# KiCad board gate.kicad_pcb (continued)
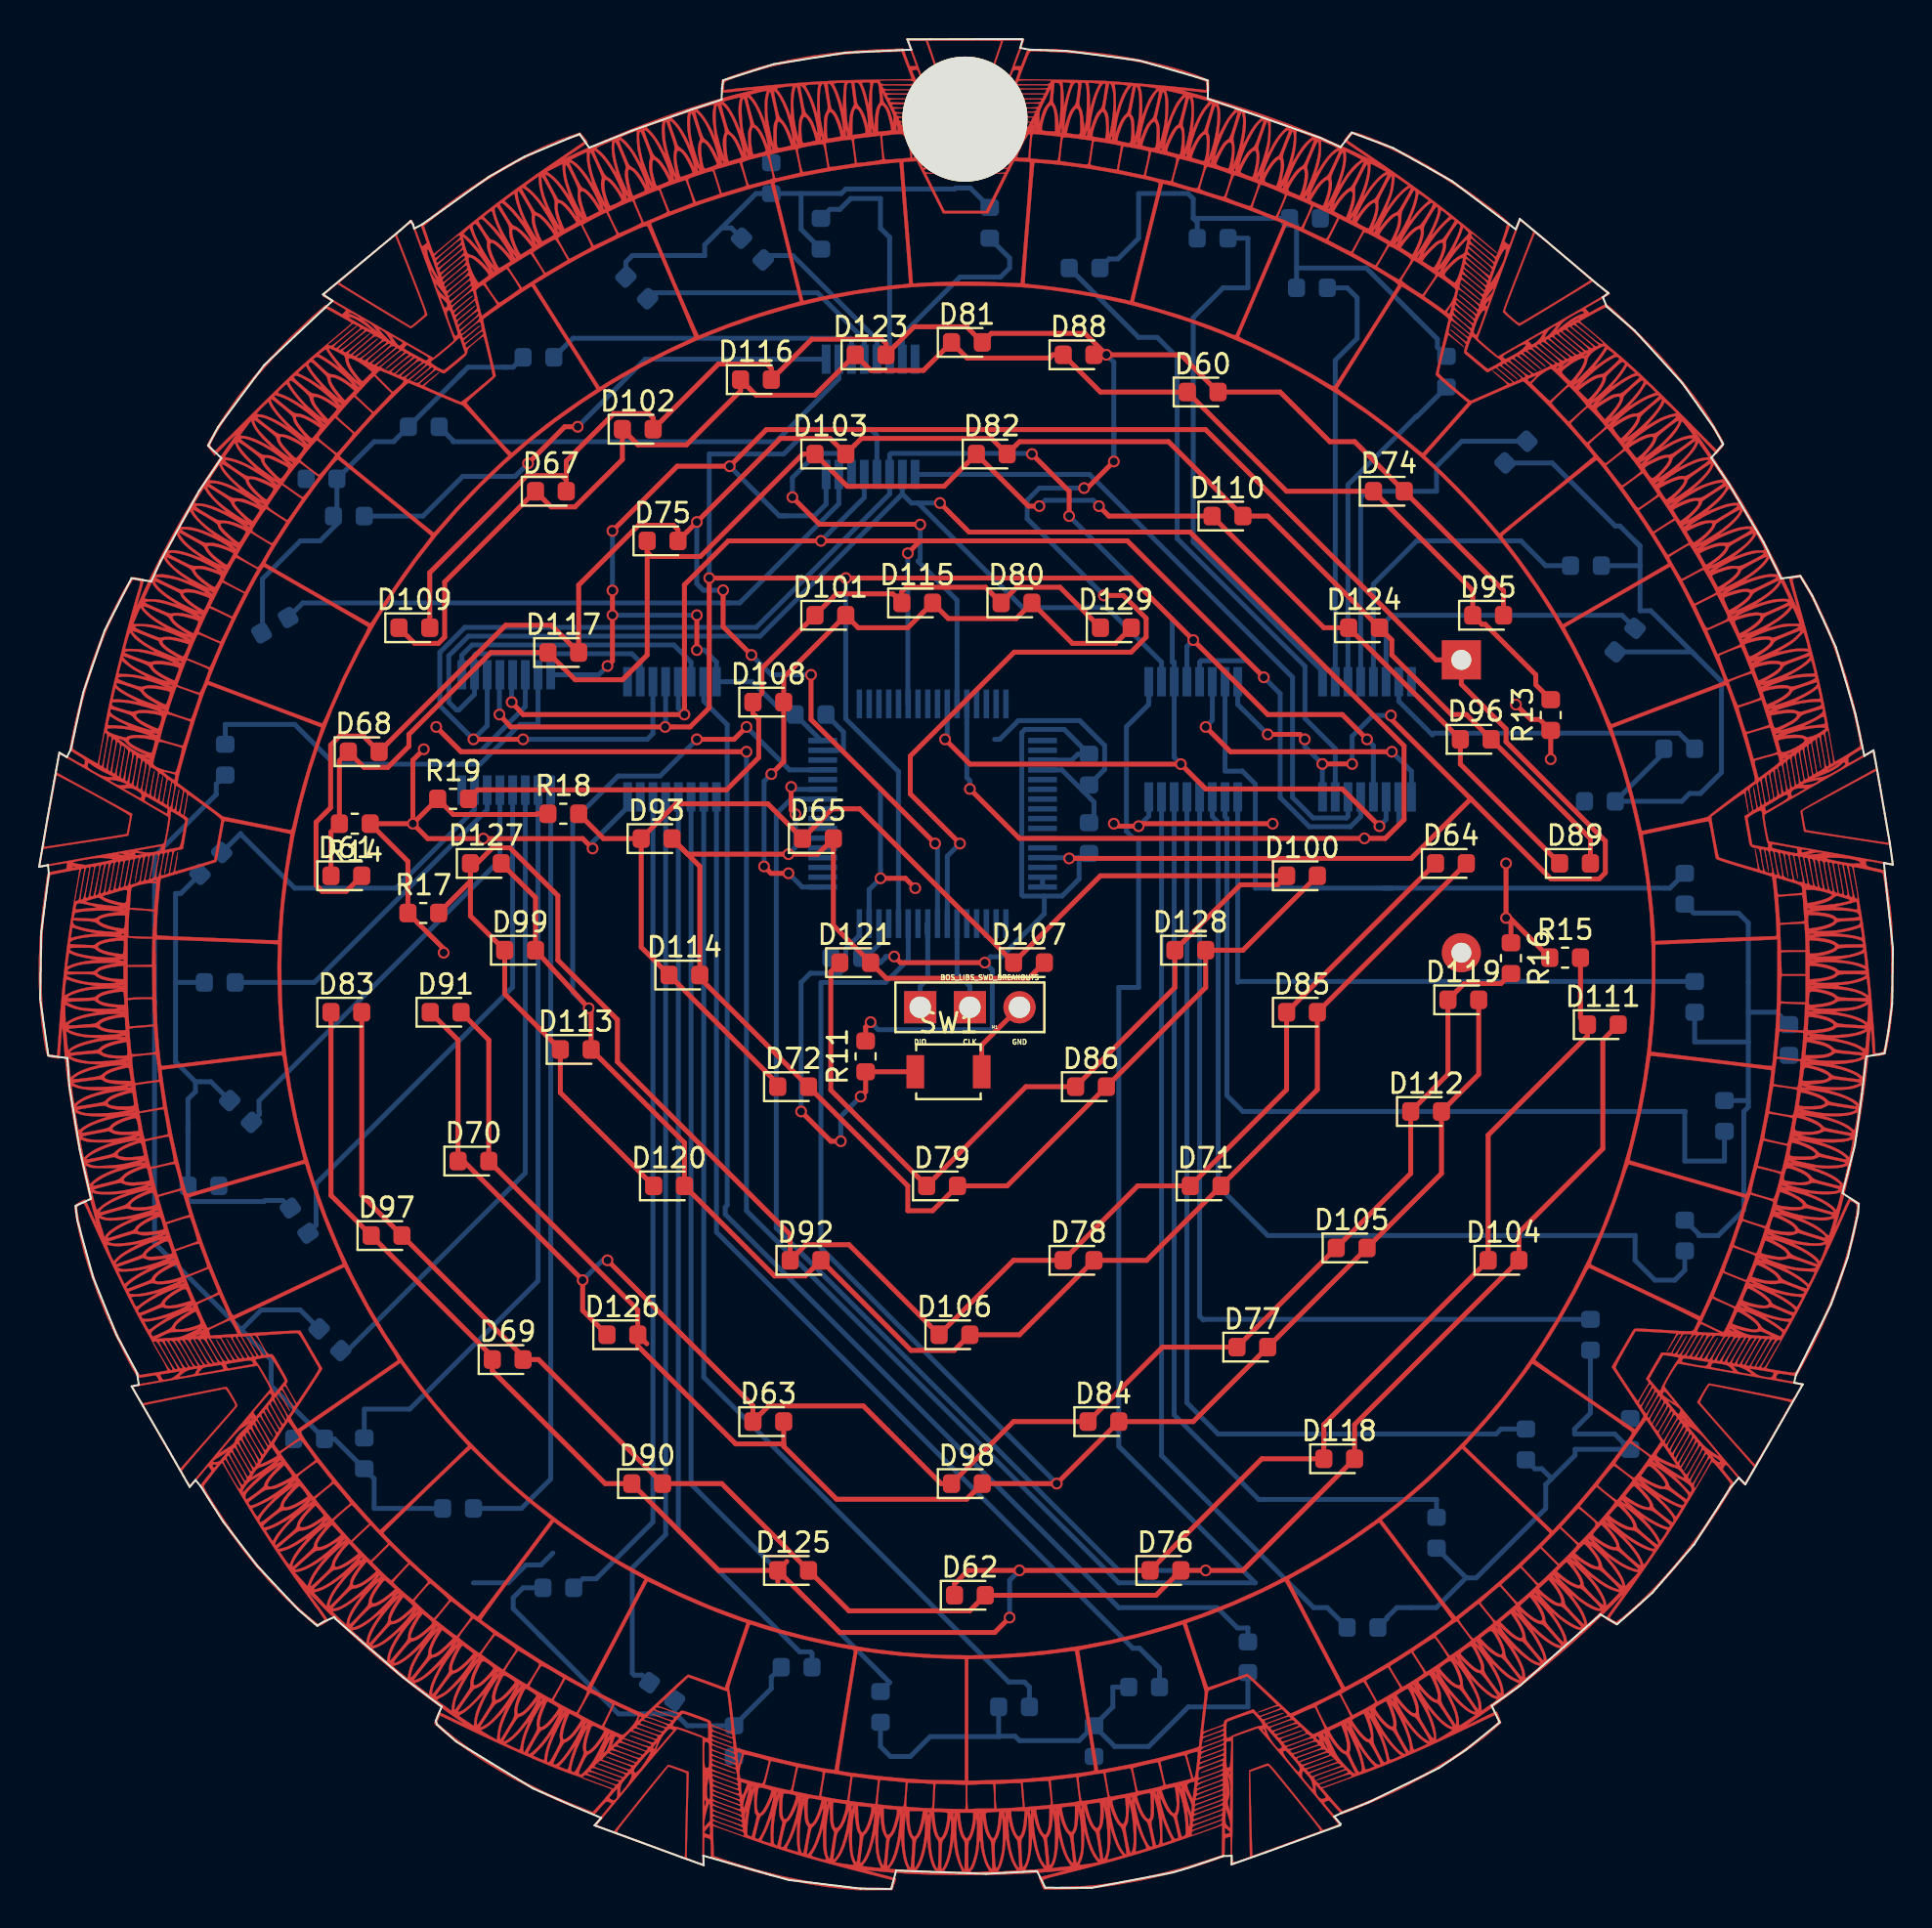
[diagram p0: board, top side]
## Footprints (pads in the part's own frame, mm; a bottom-side part is the same pattern mirrored in y, then rotated)
BatteryHolder_Keystone_2462_2xAA
  rect 2x2 hole 1.02: 1(0,0)
  round 2 hole 1.02: 2(0,-14.99)
BOS_LIBS_SWD2
  rect 1.648x1.648 hole 1.1: 1(-2.54,0) 2(0,0)
  round 1.648 hole 1.1: 3(2.54,0)
C_0603_1608Metric
  rrect 0.875x0.95 smd: 1(-0.787,0) 2(0.787,0)
FREESCALE_LQFP-64_10X10X1.6
  rect 1.473x0.279 smd: 1(-5.624,3.749) 2(-5.624,3.249) 3(-5.624,2.748) 4(-5.624,2.248) 5(-5.624,1.748) 6(-5.624,1.25) 7(-5.624,0.749) 8(-5.624,0.249) 9(-5.624,-0.249) 10(-5.624,-0.749) 11(-5.624,-1.25) 12(-5.624,-1.75) 13(-5.624,-2.248) 14(-5.624,-2.748) 15(-5.624,-3.249) 16(-5.624,-3.749) 33(5.624,-3.749) 34(5.624,-3.249) 35(5.624,-2.748) 36(5.624,-2.248) 37(5.624,-1.75) 38(5.624,-1.25) 39(5.624,-0.749) 40(5.624,-0.249) 41(5.624,0.249) 42(5.624,0.749) 43(5.624,1.25) 44(5.624,1.748) 45(5.624,2.248) 46(5.624,2.748) 47(5.624,3.249) 48(5.624,3.749)
  rect 0.279x1.473 smd: 17(-3.749,-5.624) 18(-3.249,-5.624) 19(-2.748,-5.624) 20(-2.248,-5.624) 21(-1.75,-5.624) 22(-1.25,-5.624) 23(-0.749,-5.624) 24(-0.249,-5.624) 25(0.249,-5.624) 26(0.749,-5.624) 27(1.25,-5.624) 28(1.748,-5.624) 29(2.248,-5.624) 30(2.748,-5.624) 31(3.249,-5.624) 32(3.749,-5.624) 49(3.749,5.624) 50(3.249,5.624) 51(2.748,5.624) 52(2.248,5.624) 53(1.748,5.624) 54(1.25,5.624) 55(0.749,5.624) 56(0.249,5.624) 57(-0.249,5.624) 58(-0.749,5.624) 59(-1.25,5.624) 60(-1.75,5.624) 61(-2.248,5.624) 62(-2.748,5.624) 63(-3.249,5.624) 64(-3.749,5.624)
LED_0603_1608Metric
  rrect 0.875x0.95 smd: 1(-0.787,0) 2(0.787,0)
MountingHole_6.4mm_M6
  round 6.4 hole 6.4 unplated: (0,0)
R_0603_1608Metric
  rrect 0.875x0.95 smd: 1(-0.787,0) 2(0.787,0)
SW_SPST_B3U-1000P
  rect 0.9x1.7 smd: 1(-1.7,0) 2(1.7,0)
TSSOP-16_4.4x5mm_P0.65mm
  rect 1.5x0.45 smd: 1(-2.95,2.275) 2(-2.95,1.625) 3(-2.95,0.975) 4(-2.95,0.325) 5(-2.95,-0.325) 6(-2.95,-0.975) 7(-2.95,-1.625) 8(-2.95,-2.275) 9(2.95,-2.275) 10(2.95,-1.625) 11(2.95,-0.975) 12(2.95,-0.325) 13(2.95,0.325) 14(2.95,0.975) 15(2.95,1.625) 16(2.95,2.275)

## Nets
+3V3: BT1.1 C1.1 C2.1 C3.1 C4.1 R11.2 U1.16 U2.16 U3.16 U4.16 U5.16 U6.3 U6.13 U6.30 U6.48
GND: BT1.2 C1.2 C2.2 C3.2 C4.2 M1.3 R1.2 R2.2 R3.2 R4.2 R5.2 R6.2 R7.2 R8.2 R9.2 R10.2 R13.1 R14.1 R15.1 R16.1 R17.1 R18.1 R19.1 SW1.2 U1.8 U2.8 U3.8 U4.8 U5.8 U6.4 U6.31 U6.47
/pta0: M1.2 U6.22
/pta1: D60.2 D67.2 D74.2 D81.2 D88.2 D95.2 D102.2 D109.2 D116.2 D123.2 U6.23
/pta2: D61.2 D68.2 D75.2 D82.2 D89.2 D96.2 D103.2 D110.2 D117.2 D124.2 U6.24
/pta3: M1.1 U6.25
/pta4: U6.26
/pta5: D63.2 D70.2 D77.2 D84.2 D91.2 D98.2 D105.2 D112.2 D119.2 D126.2 U6.27
/pta12: U1.12 U2.12 U3.12 U4.12 U5.12 U6.28
/PTA18: R11.1 SW1.1 U6.32
/pta19: D80.2 D101.2 D108.2 D115.2 D129.2 U6.33
/ptb19: D62.2 D69.2 D76.2 D83.2 D90.2 D97.2 D104.2 D111.2 D118.2 D125.2 U6.42
/ptc0: D65.2 D72.2 D79.2 D86.2 D93.2 D100.2 D107.2 D114.2 D121.2 D128.2 U6.43
/ptc2: D64.2 D71.2 D78.2 D85.2 D92.2 D99.2 D106.2 D113.2 D120.2 D127.2 U6.45
/ptc9: U1.13 U2.13 U3.13 U4.13 U5.13 U6.54
/ptc10: U6.55
/ptd0: U6.57
/ptd1: U1.11 U2.11 U3.11 U4.11 U5.11 U6.58
/ptd2: U1.14 U6.59
/ptd3: U1.10 U2.10 U3.10 U4.10 U5.10 U6.60
/pte30: U6.18
/sr1A: D1.2 U1.15
/sr1B: D2.2 U1.1
/sr1C: D3.2 U1.2
/sr1D: D4.2 U1.3
/sr1E: D5.2 U1.4
/sr1F: D6.2 U1.5
/sr1G: D7.2 U1.6
/sr1H: D8.2 U1.7
/sr2A: D9.2 U2.15
/sr2B: D10.2 U2.1
/sr2C: D11.2 U2.2
/sr2D: D12.2 U2.3
/sr2E: D13.2 U2.4
/sr2F: D14.2 U2.5
/sr2G: D15.2 U2.6
/sr2H: D16.2 U2.7
/sr3A: D17.2 U3.15
/sr3B: D18.2 U3.1
/sr3C: D19.2 U3.2
/sr3D: D20.2 U3.3
/sr3E: D21.2 U3.4
/sr3F: D22.2 U3.5
/sr3G: D23.2 U3.6
/sr3H: D24.2 U3.7
/sr4A: D25.2 U4.15
/sr4B: D26.2 U4.1
/sr4C: D27.2 U4.2
/sr4D: D28.2 U4.3
/sr4E: D29.2 U4.4
/sr4F: D30.2 U4.5
/sr4G: D31.2 U4.6
/sr4H: D32.2 U4.7
/sr5A: D33.2 U5.15
/sr5B: D34.2 U5.1
/sr5C: D35.2 U5.2
/sr5D: D36.2 U5.3
/sr5E: D37.2 U5.4
/sr5F: D38.2 U5.5
/sr5G: D39.2 U5.6
/sr5H: U5.7
Net-(D1-Pad1): D1.1 D2.1 D3.1 D4.1 R1.1
Net-(D5-Pad1): D5.1 D6.1 D7.1 D8.1 R2.1
Net-(D10-Pad1): D9.1 D10.1 D11.1 D12.1 R3.1
Net-(D13-Pad1): D13.1 D14.1 D15.1 D16.1 R4.1
Net-(D17-Pad1): D17.1 D18.1 D19.1 D20.1 R5.1
Net-(D21-Pad1): D21.1 D22.1 D23.1 D24.1 R6.1
Net-(D25-Pad1): D25.1 D26.1 D27.1 D28.1 R7.1
Net-(D29-Pad1): D29.1 D30.1 D31.1 D32.1 R8.1
Net-(D33-Pad1): D33.1 D34.1 D35.1 D36.1 R9.1
Net-(D37-Pad1): D37.1 D38.1 D39.1 R10.1
Net-(D100-Pad1): D65.1 D72.1 D79.1 D86.1 D93.1 D100.1 D107.1 D114.1 D121.1 D128.1 R18.2
Net-(D101-Pad1): D80.1 D101.1 D108.1 D115.1 D129.1 R19.2
Net-(D102-Pad1): D60.1 D67.1 D74.1 D81.1 D88.1 D95.1 D102.1 D109.1 D116.1 D123.1 R13.2
Net-(D103-Pad1): D61.1 D68.1 D75.1 D82.1 D89.1 D96.1 D103.1 D110.1 D117.1 D124.1 R14.2
Net-(D104-Pad1): D62.1 D69.1 D76.1 D83.1 D90.1 D97.1 D104.1 D111.1 D118.1 D125.1 R15.2
Net-(D105-Pad1): D63.1 D70.1 D77.1 D84.1 D91.1 D98.1 D105.1 D112.1 D119.1 D126.1 R16.2
Net-(D106-Pad1): D64.1 D71.1 D78.1 D85.1 D92.1 D99.1 D106.1 D113.1 D120.1 D127.1 R17.2
Net-(U1-Pad9): U1.9 U2.14
Net-(U2-Pad9): U2.9 U3.14
Net-(U3-Pad9): U3.9 U4.14
Net-(U4-Pad9): U4.9 U5.14
Net-(U5-Pad9): U5.9
Net-(U6-Pad1): U6.1
Net-(U6-Pad2): U6.2
Net-(U6-Pad5): U6.5
Net-(U6-Pad6): U6.6
Net-(U6-Pad7): U6.7
Net-(U6-Pad8): U6.8
Net-(U6-Pad9): U6.9
Net-(U6-Pad10): U6.10
Net-(U6-Pad11): U6.11
Net-(U6-Pad12): U6.12
Net-(U6-Pad14): U6.14
Net-(U6-Pad15): U6.15 U6.16
Net-(U6-Pad17): U6.17
Net-(U6-Pad19): U6.19
Net-(U6-Pad20): U6.20
Net-(U6-Pad21): U6.21
Net-(U6-Pad29): U6.29
Net-(U6-Pad34): U6.34
Net-(U6-Pad35): U6.35
Net-(U6-Pad36): U6.36
Net-(U6-Pad37): U6.37
Net-(U6-Pad38): U6.38
Net-(U6-Pad39): U6.39
Net-(U6-Pad40): U6.40
Net-(U6-Pad41): U6.41
Net-(U6-Pad44): U6.44
Net-(U6-Pad46): U6.46
Net-(U6-Pad49): U6.49
Net-(U6-Pad50): U6.50
Net-(U6-Pad51): U6.51
Net-(U6-Pad52): U6.52
Net-(U6-Pad53): U6.53
Net-(U6-Pad56): U6.56
Net-(U6-Pad61): U6.61
Net-(U6-Pad62): U6.62
Net-(U6-Pad63): U6.63
Net-(U6-Pad64): U6.64

## Via types
v1: diameter 0.6, hole 0.4, Top to Bottom, 89 vias

## Routing (per net, layer and track width the routed paths; a pad name or vN(x,y) marks a point on that pad's centre or on a via; arc(x,y) is an arc through that point)
+3V3: length 196.7
  Top w0.25: v1(52.7,52.75) 70.2,52.75 73.25,55.8 ; v1(29.08,62.6) 29.34,62.86 v1(29.34,65.2) v1(29.34,66.47) ; v1(62.86,59.1) 64.5,59.1 v1(64.76,58.85) ; v1(48.39,47.42) 44.07,47.42 v1(43.75,47.73) ; v1(69.17,60.07) 69.17,59.89 73.25,55.8 ; v1(67.18,57.59) v1(65.66,57.59) ; 73.25,55.8 77.35,51.7 79.82,51.7 80.14,52.02 80.14,53.64 75.06,58.72 75.06,59.38 72.77,61.67 BT1.1 71.47,62.92 59.68,74.7 37.21,74.7 v1(35.33,72.83) 32.65,72.83 v1(29.34,69.52) ; v1(42.54,44.37) 42.29,44.12 R11.2 ; v1(33.65,63.42) v1(33.65,65.2)
  Bottom w0.25: U2.16 65.66,55.91 v1(65.66,57.59) 64.76,58.49 v1(64.76,58.85) ; 37.97,70.29 37.87,70.29 v1(35.33,72.83) ; 37.97,70.29 38.22,70.29 ; 37.97,70.29 39.67,70.29 40.27,70.89 U1.16 ; U6.13 53.17,52.79 53.21,52.75 53.21,51.7 52.34,50.83 51.43,50.83 ; U4.16 28.63,62.15 v1(29.08,62.6) ; U6.3 52.84,57.79 53.14,58.09 C3.1 52.45,59.36 50.45,59.36 50.28,59.19 50.28,50.89 50.35,50.83 51.43,50.83 ; v1(52.7,52.75) 53.47,52.75 C1.1 ; v1(62.86,59.1) 61.33,60.64 U3.16 ; v1(42.54,44.37) 42.93,43.98 48.71,43.98 48.77,44.05 48.77,47.03 v1(48.39,47.42) 48.69,47.72 49.23,47.72 51.43,49.92 51.43,50.83 ; v1(43.75,47.73) 43.33,47.73 43.31,47.71 43.31,47.67 43.05,47.42 42.8,47.67 C2.1 ; v1(29.34,69.52) v1(29.34,66.47) ; v1(33.65,65.2) v1(29.34,65.2) ; 42.97,48.52 U6.30 42.97,48.35 42.34,47.72 42.34,47.42 ; 39.5,58.79 U6.48 40.01,58.79 C4.1 38.22,60.58 37.71,60.58 36.49,61.8 U5.16 34.66,62.8 34.04,63.42 v1(33.65,63.42) ; v1(67.18,57.59) 67.18,59.01 68.24,60.07 v1(69.17,60.07)
GND: length 90.9
  Top w0.25: v1(75.56,60.63) 76.33,59.87 76.78,59.87 R13.1 v1(77.34,57.83) ; v1(19.12,54.53) R19.1 21.19,55 25.46,55 25.5,55.04 R18.1 ; v1(19.12,54.53) R14.1 18.87,52.6 R17.1 20.7,48.13 v1(20.7,47.93) ; v1(19.12,54.53) 19.89,53.77 v1(22.73,53.77) 27.81,53.77 v1(28.32,53.26) ; v1(19.12,54.53) 19.12,57.78 v1(19.68,58.34) ; M1.3 48.23,43.2 SW1.2 ; v1(75.06,49.71) v1(75.06,52.5) ; v1(75.06,49.71) 75.26,49.71 R15.1 ; v1(75.06,49.71) 75,49.76 ; v1(75.06,49.71) 75.31,49.45 R16.1 ; v1(63.12,54.53) 56.39,54.53 v1(56.26,54.4) 55.12,54.4 v1(54.99,54.53) ; v1(44.83,51.23) 44.32,51.74 v1(43.05,51.74)
  Bottom w0.25: U6.4 52.33,57.29 53.97,55.64 53.97,54.4 ; v1(56.26,54.4) 56.78,54.92 U3.8 ; U5.8 30.11,55.37 28.32,53.59 v1(28.32,53.26) ; U6.47 41.08,58.29 41.16,58.36 41.16,59.22 C4.2 ; U6.31 42.47,51.16 v1(43.05,51.74) 43.05,56.29 ; 22.22,15.67 24,15.67 24.92,16.58 25.68,16.58 26.29,17.19 ; C3.2 54.52,57.31 54.52,58.53 53.24,59.81 50.11,59.81 49.15,58.85 48.89,58.85
/pta0: length 4.6
  Bottom w0.25: U6.22 46.97,46.86 47.62,46.21 M1.2
/pta1: length 124
  Top w0.25: 26.97,72.12 26.75,72.35 24.95,72.35 19.99,67.38 D109.2 ; 26.97,72.12 26.97,73.1 29.4,75.52 31.19,75.52 31.42,75.3 D102.2 34.76,78.06 35.69,78.06 ; 26.97,72.12 D67.2 ; v1(54.61,78.53) D88.2 ; v1(54.61,78.53) 58.42,78.53 D60.2 63.5,76.63 66.04,74.09 67.31,74.09 D74.2 74.93,66.47 D95.2 ; v1(54.61,78.53) 53.51,79.63 48.72,79.63 D81.2 47.46,79.97 44.77,79.97 D123.2 43.33,79.11 43.11,79.33 39.53,79.33 D116.2 37.46,77.84 37.24,78.06 35.69,78.06 ; v1(47.12,53.52) 44.58,56.06 44.58,58 49.89,63.31 55.87,63.31 56.64,64.08 56.64,65.05 55.47,66.22 v1(54.48,66.22) ; 35.69,78.06 37.3,78.06 ; v1(53.47,71.71) 53.63,71.71 v1(54.99,73.07)
  Bottom w0.25: 54.99,74.85 v1(54.99,73.07) 54.99,78.15 v1(54.61,78.53) ; U6.23 46.47,52.87 v1(47.12,53.52) ; v1(54.48,66.22) 50.55,70.14 50.55,71.09 51.18,71.71 v1(53.47,71.71)
/pta2: length 124.9
  Top w0.25: v1(35,66.48) 35,64.62 v1(36.45,63.17) ; D89.2 79.37,53.77 D96.2 73.02,60.12 72.26,60.12 69.21,63.17 69.21,63.93 62.86,70.28 D110.2 57.78,74.09 50.16,74.09 D82.2 48.73,74.25 42.07,74.25 D103.2 40.47,74.25 37.93,74.25 v1(33.65,69.97) D75.2 32.69,69.58 32.46,69.81 30.67,69.81 27.61,66.75 D117.2 26.21,64.69 23.87,64.69 D68.2 16.6,59.01 15.38,59.01 14.92,58.55 14.92,55.35 14.17,54.61 14.17,51.38 14.49,51.06 15.71,51.06 D61.2 ; v1(39.5,62.15) 39.5,59.87 v1(45.85,53.52)
  Bottom w0.25: v1(33.65,69.97) 33.65,66.81 33.99,66.48 v1(35,66.48) ; v1(39.5,62.15) 37.46,62.15 v1(36.45,63.17) ; v1(45.85,53.52) 45.97,53.39 U6.24
/pta3: length 4.9
  Bottom w0.25: 45.47,48.94 45.43,48.97 45.43,49.38 U6.25 45.47,46.59 45.08,46.21 M1.1
/pta5: length 121.1
  Top w0.25: D119.2 73.66,41.7 D112.2 71.75,36.62 D105.2 D77.2 59.05,23.92 D84.2 v1(52.07,20.75) D98.2 47.46,19.95 40.8,19.95 38.1,22.65 38.1,22.78 ; 38.1,22.78 35.64,22.78 30.63,27.79 D126.2 ; 38.1,22.78 D63.2 ; D126.2 30.63,29.64 D70.2 23.01,43.46 D91.2 ; D126.2 31.09,27.91
  Bottom w0.25: v1(52.07,20.75) 40,32.81 40,46.4 43.31,46.4 44.47,47.57 U6.27
/pta12: length 102.6
  Top w0.25: 23.49,60.12 v1(23.55,60.12) 24.13,59.48 v1(32.03,59.48) 33.31,59.48 34.29,60.46 v1(34.29,67.1) 55.88,67.1 v1(59.05,63.93) 62.86,60.12 66.67,60.12 v1(67.94,58.85)
  Bottom w0.25: U4.12 23.55,62.13 v1(23.55,60.12) ; v1(32.03,59.48) 32.06,59.51 U5.12 ; v1(67.94,58.85) 68.27,58.52 U2.12 ; U6.28 43.97,57.2 41.27,59.9 v1(41.27,67.1) ; U1.12 42.87,74.4 42.54,74.72 39.37,74.72 38.1,73.45 34.29,73.45 v1(34.29,67.1) 35.56,67.1 ; v1(59.05,63.93) 58.73,63.6 58.73,61.8
/PTA18: length 21
  Top w0.25: v1(42.04,40.56) 42.29,40.82 R11.1 SW1.1 ; v1(38.99,39.8) 40.51,38.28 v1(41.02,38.28)
  Bottom w0.25: U6.32 41.97,48.82 41.27,48.12 41.27,47.19 40.96,46.87 39.46,46.87 38.99,46.4 v1(38.99,39.8) ; v1(41.02,38.28) 41.02,39.55 v1(42.04,40.56)
/pta19: length 35.3
  Top w0.25: v1(37.09,52.34) 37.45,51.99 v1(38.34,51.99) ; v1(37.46,57.07) 38.1,57.71 D108.2 38.1,62.02 D101.2 41.91,64.56 44.45,64.56 D115.2 46.52,65.03 50,65.03 50.8,65.83 52.87,63.76 55.08,63.76 D129.2
  Bottom w0.25: v1(37.46,57.07) 37.09,56.7 v1(37.09,52.34) ; U6.33 39.04,51.29 v1(38.34,51.99)
/ptb19: length 153.7
  Top w0.25: D83.2 16.51,35.51 D97.2 24.76,27.25 D69.2 25.55,27.1 D90.2 34.92,20.75 D125.2 41.44,14.23 47.61,14.23 D62.2 57.15,15.03 D76.2 61.59,16.3 D118.2 67.31,23.77 D104.2 75.72,33.6 80.01,37.89 80.01,43.46 D111.2
  Bottom w0.25: U6.42 39.11,55.79 ; 39.11,55.79 39.03,55.71 ; 39.11,55.79 38.47,55.79 37.72,55.04 37.72,33.83 39.31,32.24 ; 39.03,32.52 55.25,16.3 v1(59.69,16.3)
/ptc0: length 84.2
  Top w0.25: v1(38.7,55.01) 38.48,55.24 v1(38.48,56.41) ; D107.2 50.63,46.62 43.34,46.62 D121.2 40.64,49.32 D65.2 39.84,52.97 v1(38.34,52.97) 33.18,52.97 D93.2 33.81,52.35 D114.2 33.81,46.63 D72.2 44.45,35.99 44.45,34.72 45.72,34.72 D79.2 49.53,35.99 D86.2 59.69,46.15 D128.2 61.59,48.05 D100.2
  Bottom w0.25: v1(38.34,52.97) 38.7,53.33 v1(38.7,55.01) ; v1(38.48,56.41) 38.6,56.29 U6.43
/ptc2: length 103
  Top w0.25: D127.2 25.4,50.75 25.4,48.05 v1(28.12,45.09) 28.24,45.21 D113.2 33.02,38.2 33.02,35.99 37.63,31.38 39.2,31.38 D92.2 44.61,27.57 46.82,27.57 D106.2 50.16,28.37 D78.2 56.67,32.18 D71.2 65.4,40.92 D85.2 D64.2 ; v1(36.19,59.48) 35.56,58.85 v1(33.65,58.85)
  Bottom w0.25: v1(36.19,59.48) 38.39,57.29 U6.45 ; v1(28.12,45.09) 27.3,45.9 27.3,54.65 29.62,56.97 31.78,56.97 v1(33.65,58.85)
/ptc9: length 82.6
  Top w0.25: 45.08,69.01 v1(44.45,68.37) ; 45.08,69.01 v1(40,69.01) 35.27,69.01 33.02,66.76 v1(33.02,60.12) 24.76,60.12 v1(24.18,60.75) 24.13,60.75 ; 45.08,69.01 55.68,69.01 v1(62.66,62.02)
  Bottom w0.25: U4.13 24.18,62.1 v1(24.18,60.75) ; U6.54 44.45,60.68 v1(44.45,68.37) ; 32.71,61.8 32.71,60.43 v1(33.02,60.12) ; U3.13 59.38,62.8 59.45,62.87 61.81,62.87 v1(62.66,62.02) 63.5,61.19 63.5,55.87 65,54.37 67.09,54.37 67.62,54.9 U2.13 ; U1.13 42.22,71.22 v1(40,69.01)
/ptd1: length 103.1
  Top w0.25: v1(52.7,70.28) 52.7,71.55 v1(50.8,73.45) ; v1(24.76,58.85) v1(22.22,58.85) ; v1(68.58,54.4) 66.67,56.31 59.69,56.31 v1(58.42,57.58) 47.62,57.58 v1(46.35,58.85)
  Bottom w0.25: U6.58 46.47,58.96 v1(46.35,58.85) ; 22.93,62.15 22.93,59.55 v1(22.22,58.85) 20.5,60.57 20.5,63.3 21.78,64.58 36.69,64.58 43.52,71.41 43.52,73.41 43.59,73.48 50.77,73.48 v1(50.8,73.45) ; v1(24.76,58.85) 31.11,58.85 31.41,59.14 U5.11 ; v1(58.42,57.58) 58.08,57.92 U3.11 58.08,62.8 58.07,62.81 57.98,62.81 57.98,65 v1(52.7,70.28) ; v1(68.58,54.4) 68.92,54.74 U2.11
/ptd2: length 22.9
  Top w0.25: v1(38.54,71.25) 39.93,69.86 45.07,69.86 v1(45.08,69.84)
  Bottom w0.25: v1(38.54,71.25) 38.54,72.24 39.78,73.48 41.49,73.48 41.57,73.41 U1.14 ; v1(45.08,69.84) 45.08,68.08 44.97,67.97 45.83,67.1 ; 45.83,67.1 46.97,65.97 U6.59 ; 45.83,67.1 45.97,66.97
/ptd3: length 126.8
  Top w0.25: 56.7,69.46 56.83,69.46 ; 56.83,69.46 47.58,69.46 v1(46.09,70.95) ; 56.83,69.46 58.89,69.46 69.84,58.51 69.84,54.74 68.88,53.78 v1(67.81,53.78) 50.15,53.78 v1(47.62,56.31)
  Bottom w0.25: 44.17,71.41 36.89,64.13 21.97,64.13 20.96,63.13 20.96,60.75 21.35,60.36 21.48,60.36 22.28,61.15 U4.10 22.28,63.15 22.35,63.23 30.33,63.23 30.76,62.8 30.76,61.8 ; 44.17,71.41 U1.10 ; 44.17,71.41 44.63,70.95 44.97,70.95 ; U6.60 47.47,56.89 47.62,56.73 v1(47.62,56.31) ; 57.45,61.78 U3.10 57.43,62.8 54.64,65.59 50.33,65.59 44.97,70.95 ; v1(46.09,70.95) 44.97,70.95 ; v1(67.81,53.78) 68.88,53.78 69.57,54.47 U2.10
/sr1A: length 32.3
  Bottom w0.25: 35.18,65.83 35.34,65.83 ; 35.18,65.83 35.85,65.83 40.92,70.9 U1.15 ; 35.18,65.83 13.49,65.83 D1.2
/sr1B: length 27
  Top w0.25: v1(25.02,72.97) 26.89,74.85 v1(27.56,74.85)
  Bottom w0.25: v1(27.56,74.85) 31.02,78.31 U1.1 ; v1(25.02,72.97) 24.35,72.31 21.68,72.31 19.64,70.28 D2.2
/sr1C: length 23.1
  Bottom w0.25: D3.2 21.18,74.14 21.18,74.09 37.7,74.09 40.92,77.31 U1.2
/sr1D: length 16.7
  Bottom w0.25: U1.3 41.57,79.31 41.49,79.38 27.32,79.38 26.34,78.41
/sr1E: length 12.9
  Bottom w0.25: 31.34,81.71 39.83,81.71 42.22,79.32 U1.4
/sr1F: length 8.6
  Bottom w0.25: U1.5 42.87,79.31 38.56,83.61 37.06,83.61
/sr1G: length 11.9
  Bottom w0.25: 43.52,78.31 43.52,84.54 43.05,85.01 43.05,86.54 41.53,86.54 40.97,85.98 40.47,85.98 D7.2
/sr1H: length 10.1
  Bottom w0.25: D8.2 49.66,83.49 49.66,82.98 49.19,82.51 47.12,82.51 44.17,79.56 U1.7
/sr2A: length 33.3
  Bottom w0.25: U2.15 66.32,58.37 64.77,59.92 64.77,62.59 58.23,69.13 58.23,78.41 57.21,79.42 56.26,79.42 D9.2
/sr2B: length 28.4
  Bottom w0.25: U2.1 65.67,62.32 59.05,68.94 59.05,80.44 60.58,81.96 61.85,81.96 61.85,84.5 D10.2
/sr2C: length 21.9
  Bottom w0.25: U2.2 66.32,78.25 67.44,79.37 67.44,81.46 66.93,81.96 D11.2
/sr2D: length 17.3
  Bottom w0.25: U2.3 66.97,71.88 70.44,75.36 ; D12.2 70.48,75.36 70.44,75.36 ; 70.44,75.36 70.48,75.4
/sr2E: length 19.9
  Bottom w0.25: U2.4 67.62,71.22 67.94,71.55 71.5,71.55 71.5,72.82 72.79,74.11 D13.2
/sr2F: length 16.5
  Bottom w0.25: D14.2 77.09,67.74 75.82,69.01 70.48,69.01 68.27,66.79 U2.5
/sr2G: length 16.2
  Bottom w0.25: D15.2 80.99,65.2 69.21,65.2 68.92,64.9 U2.6
/sr2H: length 17.2
  Bottom w0.25: U2.7 69.57,60.8 71.29,59.08 71.38,59.17 83.91,59.17 D16.2
/sr3A: length 34.5
  Bottom w0.25: 69.21,51.23 68.78,51.23 ; 69.21,51.23 83.44,51.23 D17.2 ; 69.21,51.23 62.23,51.23 62.23,56.56 61.56,57.22 60.68,57.22 U3.15
/sr3B: length 32.8
  Bottom w0.25: U3.1 61.33,46.4 ; D18.2 61.38,46.45
/sr3C: length 45.2
  Bottom w0.25: U3.2 60.68,54.9 60.67,54.89 60.77,54.79 60.77,40.62 61.59,39.8 84.2,39.8 ; 84.2,39.8 84.22,39.8 ; 84.2,39.8 84.2,37.26 86.23,37.26 D19.2
/sr3D: length 47.9
  Bottom w0.25: U3.3 60.03,54.9 60.32,54.6 60.32,35.99 62.86,33.45 81.66,33.45 81.66,32.18 82.68,31.16 83.69,31.16 84.2,31.67 D20.2
/sr3E: length 46.7
  Bottom w0.25: D21.2 59.59,29.16 59.56,29.13 59.38,29.31 U3.4
/sr3F: length 49.1
  Bottom w0.25: 58.73,55.9 58.73,24.88 60.32,23.29 74.55,23.29 74.8,23.54 D22.2
/sr3G: length 47.8
  Bottom w0.25: U3.6 58.08,24.26 62.4,19.94 71.5,19.94 D23.2
/sr3H: length 46.9
  Bottom w0.25: D24.2 65.91,14.4 65.21,14.4 57.43,22.18 U3.7
/sr4A: length 22.2
  Bottom w0.25: D25.2 9.52,59.61 13.08,59.61 15.11,57.58 20.95,57.58 ; 20.95,57.58 21.95,57.58 ; 20.95,57.58 22.57,57.58 24.6,59.61 25.53,59.61 U4.15
/sr4B: length 39.8
  Bottom w0.25: U4.1 26.18,20.98 24.67,19.48 D26.2
/sr4C: length 38.2
  Bottom w0.25: U4.2 25.53,31.12 18.96,24.56 16.64,24.56 D27.2
/sr4D: length 32.3
  Bottom w0.25: U4.3 24.88,36.65 15.87,27.65
/sr4E: length 27
  Bottom w0.25: D29.2 14.17,33.98 14.17,36.11 24.23,46.16 U4.4
/sr4F: length 22.3
  Bottom w0.25: D30.2 11.27,39.65 11.27,39.78 11.25,39.8 11.25,40.35 23.58,52.67 U4.5
/sr4G: length 17.6
  Bottom w0.25: 22.93,56.25 22.93,55.25 14.08,46.4 D31.2
/sr4H: length 17.2
  Bottom w0.25: U4.7 22.28,55.25 18.25,51.23 13.08,51.23 10.31,54 10.31,54.02 D32.2
/sr5A: length 64
  Bottom w0.25: D33.2 61.85,13.36 61.31,13.36 60.27,14.4 55.24,14.4 35.11,34.53 35.11,34.9 35.21,35 35.21,59.6 34.01,60.8 U5.15
/sr5B: length 55.9
  Bottom w0.25: D34.2 57.33,11.3 56.77,11.86 ; 56.77,11.86 56.31,12.32 55.96,12.32 34.66,33.62 U5.1 ; 56.77,11.86 57.28,11.35
/sr5C: length 54
  Bottom w0.25: U5.2 34.01,26.19 49.61,10.59 50.42,10.59 50.67,10.34 D35.2
/sr5D: length 50.5
  Bottom w0.25: 43.05,11.03 33.36,20.72 U5.3 ; 43.05,11.03 43.26,10.82 ; 43.05,11.03 43.51,10.57 D36.2
/sr5E: length 47.7
  Bottom w0.25: 32.71,55.9 32.71,18.34 38.91,12.14 39.46,12.14 39.55,12.06 D37.2
/sr5F: length 46.6
  Bottom w0.25: D38.2 30.85,10.94 30.45,10.94 30.35,11.04 30.35,16.43 32.06,18.14 U5.5
/sr5G: length 42.6
  Bottom w0.25: U5.6 31.41,18.78 28.5,15.88 27.82,15.88 D39.2
Net-(D1-Pad1): length 22.2
  Bottom w0.25: 21.44,77.39 D3.1 18.16,74.12 ; 21.44,77.39 21.72,77.67 ; 21.44,77.39 21.94,77.9 23.75,77.9 ; 23.75,77.9 23.98,77.9 ; 23.75,77.9 24.26,77.9 D4.1 ; 11.43,64.84 11.43,67.06 13.37,69.01 14.37,69.01 15.24,69.87 R1.1 17.14,74.09 18.16,74.09
Net-(D5-Pad1): length 26.2
  Bottom w0.25: 48.64,86.08 47.64,87.07 46.89,87.07 46.84,87.02 41.27,87.02 41.04,86.79 38.99,86.79 ; D5.1 30.02,83.29 30.35,83.61 34.06,83.61 34.06,84.16 34.92,85.03 ; D6.1 35.41,85.03 34.92,85.03 ; 34.92,85.03 36.68,86.79 R2.1 38.99,86.79 ; 38.99,86.79 38.99,84.96 D7.1
Net-(D10-Pad1): length 28.4
  Bottom w0.25: D12.1 71.55,78.92 71.55,79.34 70.44,80.44 ; 70.48,80.4 70.44,80.44 ; 70.44,80.44 67.9,82.98 64.34,82.98 ; 64.34,82.98 64.34,85.16 R3.1 59.05,85.52 ; 64.34,82.98 D11.1 ; 59.05,85.52 59.05,86.52 58.78,86.79 56.26,86.79 56.26,84.5 55.2,83.44 54.74,83.44 D9.1 ; 59.05,85.52 59.26,85.32 D10.1
Net-(D13-Pad1): length 38.6
  Bottom w0.25: 84.71,63.19 82.46,65.43 81.91,65.43 81.91,67.74 ; 84.71,63.19 86.08,61.81 86.08,57.15 85,56.08 84.45,56.08 84.05,55.67 R4.1 82.96,57.99 82.96,58.37 83.13,58.37 ; 84.71,63.19 84.57,63.33 D15.1 ; 81.9,68.76 80.88,69.77 80.64,69.77 77.42,73 D13.1 ; 81.9,68.76 81.64,69.01 ; 81.9,68.76 81.91,68.74 81.91,67.74 ; 81.91,67.74 D14.1
Net-(D17-Pad1): length 30.2
  Bottom w0.25: 87.45,40.31 87.45,40.03 87.22,39.8 87.22,34.76 85.91,33.45 84.91,33.45 84.91,33.52 D20.1 ; 87.45,40.31 87.45,43.36 ; 87.45,40.31 87.4,40.36 86.23,40.36 ; 87.45,43.36 84.71,43.36 D18.1 ; 87.45,43.36 87.45,44.88 ; R5.1 88.9,44.88 87.45,44.88 ; 87.45,44.88 87.45,49.45 86.95,49.96 84.66,49.96 D17.1
Net-(D21-Pad1): length 29.3
  Bottom w0.25: 77.39,21 78.59,22.2 78.59,22.5 R6.1 80.62,23.29 78.56,23.29 78.56,23.54 79.37,24.35 D21.1 ; 77.39,21 76.89,21.51 76.53,21.51 D22.1 ; 77.39,21 77.09,20.7 77.09,19.48 73.53,15.92 73.01,15.92 ; 73.01,15.92 73.01,15.94 D23.1 ; 73.01,15.92 71.48,14.4 69.47,14.4 68.96,13.9 68.96,13.85 D24.1 ; 73.01,15.92 73.02,15.94
Net-(D25-Pad1): length 52.3
  Bottom w0.25: 10.35,28.62 11.37,29.64 13.36,29.64 D28.1 ; 10.35,28.62 5.91,33.06 5.91,52.87 9.06,56.03 9.06,56.03 9.06,56.56 9.52,57.02 ; 10.35,28.62 11.87,27.1 11.87,25.77 R7.1 15.11,23.04 D27.1 17.14,21 17.14,19.48 D26.1
Net-(D29-Pad1): length 27.4
  Bottom w0.25: 7.62,38.78 7.62,40.43 8,40.82 8,41.32 ; 7.62,38.78 7.62,39.16 ; 7.62,38.78 R8.1 7.62,35.23 7.66,35.19 11.52,35.19 11.57,35.24 12.47,35.24 D29.1 ; 8,41.32 6.98,42.34 6.98,50.96 7.25,50.96 D32.1 ; 8,41.32 8.79,41.32 D30.1 ; D31.1 6.98,46.4
Net-(D33-Pad1): length 28.8
  Bottom w0.25: R9.1 53.21,7.59 50.16,7.59 49.93,7.82 49.15,7.82 ; R9.1 54.94,9.32 54.94,10.34 D34.1 ; R9.1 55.04,7.29 56.77,7.29 58.8,9.32 61.85,9.32 D33.1 ; D35.1 49.1,7.87 49.15,7.82 ; D36.1 43.05,7.29 43.56,6.78 44.58,6.78 45.59,7.8 49.12,7.8 49.15,7.82
Net-(D37-Pad1): length 21.4
  Bottom w0.25: 35.34,8.35 R10.1 ; R10.1 33.17,8.35 32.71,8.81 ; R10.1 37.46,10.26 37.46,10.84 D37.1 ; D39.1 24.76,15.42 24.26,14.91 24.26,14.35 25.73,12.88 ; 32.71,8.81 32.52,9 D38.1 ; 32.71,8.81 32.56,8.96 29.64,8.96 25.73,12.88 ; 25.57,13.03 25.73,12.88
Net-(D100-Pad1): length 99.3
  Top w0.25: D121.1 40.51,46.96 40.51,40.9 D79.1 50.49,41.07 D86.1 58.11,46.15 D128.1 61.46,51.4 63.37,51.4 D100.1 54.3,51.86 D107.1 41.98,55.29 40.59,55.29 D65.1 37.29,55.55 32.59,55.55 D93.1 ; R18.2 28.88,53.77 D93.1 ; D72.1 37.79,41.22 D114.1 30.81,48.21 D93.1
Net-(D101-Pad1): length 41.9
  Top w0.25: D129.1 52.23,66.63 50.02,66.63 D80.1 48.42,66.63 44.37,66.63 44.14,66.41 D115.1 43.68,66.3 40.8,66.3 D101.1 36.99,62.49 36.99,61.22 D108.1 36.52,60.18 36.82,59.88 36.82,57.91 35.17,56.26 22.43,56.26 R19.2
Net-(D102-Pad1): length 80.3
  Top w0.25: D109.1 19.21,63.76 20.43,63.76 20.75,64.08 20.75,66.9 D67.1 26.2,70.75 27.42,70.75 29.84,73.18 D102.1 30.64,73.92 33.12,73.92 35.89,76.69 35.89,77.26 36.69,76.46 39.69,76.46 D123.1 42.56,77.73 45.25,77.73 D81.1 47.48,78.37 51.7,78.37 51.86,78.53 D88.1 54.3,76.63 D60.1 63.83,71.55 D74.1 73.35,66.47 D95.1 ; D95.1 73.82,64.74 73.99,64.74 76.58,62.15 76.58,61.64 R13.2 ; D95.1 73.35,64.87
Net-(D103-Pad1): length 92.3
  Top w0.25: D75.1 31.11,68.43 ; 31.11,68.43 31.11,63.17 29.84,61.9 27.43,61.9 26.67,62.66 ; 31.11,68.43 31.34,68.21 33.83,68.21 39.08,73.45 D103.1 41.35,71.8 46.3,71.8 D82.1 50.62,70.79 v1(51.18,70.79) ; 26.67,62.66 26.83,62.49 ; 26.67,62.66 D117.1 23.11,63.29 18.92,59.1 18.92,58.49 17.84,57.41 16.62,57.41 D68.1 15.37,57.76 R14.2 14.93,54.1 D61.1 ; v1(54.23,70.79) 54.74,70.28 D110.1 65.73,64.56 D124.1 D96.1 72.72,57.58 D89.1
  Bottom w0.25: v1(51.18,70.79) 51.48,71.09 53.93,71.09 v1(54.23,70.79)
Net-(D104-Pad1): length 111.5
  Top w0.25: R15.2 78.87,44.6 D111.1 79.22,43.67 74.14,38.59 D104.1 65.73,23.77 D118.1 62.56,22.02 D76.1 v1(50.16,16.3) 47.53,16.3 46.84,15.61 D62.1 ; D83.1 14.93,35.51 D97.1 23.19,27.25 D69.1 23.19,26.52 28.96,20.75 D90.1 34.77,16.3 D125.1 ; D125.1 40.97,13.13 48.89,13.13 v1(49.66,13.89) ; D125.1 37.79,15.73 ; D125.1 38.26,16.77
  Bottom w0.25: v1(50.16,16.3) 49.66,15.8 v1(49.66,13.89)
Net-(D105-Pad1): length 89.1
  Top w0.25: v1(29.08,32.18) 36.52,24.74 D63.1 37.32,24.72 42.17,24.72 46.15,20.75 D98.1 49.86,23.92 53.67,23.92 57.48,27.73 D77.1 D105.1 70.18,36.62 D112.1 72.08,41.7 D119.1 72.92,46.35 74.8,46.35 R16.2 ; D91.1 21.44,43.46 D70.1 21.72,37.26 v1(27.81,31.16) 27.81,29.61 D126.1
  Bottom w0.25: v1(29.08,32.18) 28.83,32.18 v1(27.81,31.16)
Net-(D106-Pad1): length 101.1
  Top w0.25: D127.1 22.07,51.59 R17.2 ; D127.1 22.07,52.17 23.2,53.3 24.09,53.3 26.54,50.85 26.54,47.55 29.59,44.5 29.59,42.34 38.43,33.5 D92.1 39.23,32.98 41.44,32.98 D106.1 49.86,32.18 D78.1 56.21,35.99 D71.1 63.83,40.92 D85.1 71.45,52.5 ; D127.1 22.07,49.81 D99.1 23.82,45.82 D113.1 26.67,40.76 D120.1
Net-(U1-Pad9): length 34.1
  Bottom w0.25: U2.14 66.97,54.9 66.89,54.82 65.18,54.82 64.13,55.87 64.13,62.02 53.75,72.41 U1.9
Net-(U2-Pad9): length 15.2
  Top w0.25: v1(59.69,59.48) 60.96,58.21 v1(69.21,58.21)
  Bottom w0.25: U2.9 70.22,57.21 v1(69.21,58.21) ; U3.14 60.03,59.82 v1(59.69,59.48)
Net-(U3-Pad9): length 132.7
  Top w0.25: v1(36.19,58.21) 21.59,58.21 v1(20.32,59.48)
  Bottom w0.25: v1(36.19,58.21) 36.19,34.72 55.24,15.67 62.23,15.67 55.24,22.65 55.24,46.15 56.26,46.15 56.26,53.77 56.01,53.77 55.63,54.14 55.63,59.49 56.78,60.64 56.78,61.14 ; 56.78,61.14 U3.9 ; 56.78,61.14 56.78,60.8 ; v1(20.32,59.48) 21.58,58.22 22.57,58.22 24.88,60.53 U4.14
Net-(U4-Pad9): length 14.3
  Bottom w0.25: U5.14 33.36,62.8 32.48,63.68 22.15,63.68 21.63,63.15 U4.9
Net-(U6-Pad15): length 0.5
  Bottom w0.25: U6.15 U6.16

## Copper pours and planes (outline as drawn; the poured copper is in the pictures)
GND on Bottom: 69.21,6.14 58.42,2.33 46.35,0.43 35.56,1.7 24.13,7.41 15.24,13.13 8.89,21.38 5.08,27.73 2.54,35.99 1.9,46.78 3.17,59.48 6.98,70.28 14.6,79.8 23.49,86.79 33.65,91.23 43.81,92.5 58.42,92.5 71.12,86.79 80.64,77.9 89.53,67.1 93.34,55.67 93.34,42.97 90.8,30.91 83.82,18.21 74.93,9.95

## Text on the board
B.SilkS: @keeperOfBits
